# Altium PCB DustCollectorSwitch.PcbDoc
Units mil, origin at the board's own origin, x right, y up, seen from the top; angles counter-clockwise.
Board outline 2100 x 2705.2 mil, 2 copper layers (Top Layer, Bottom Layer); 57 components, 34 nets, 179 pads, 63 vias.
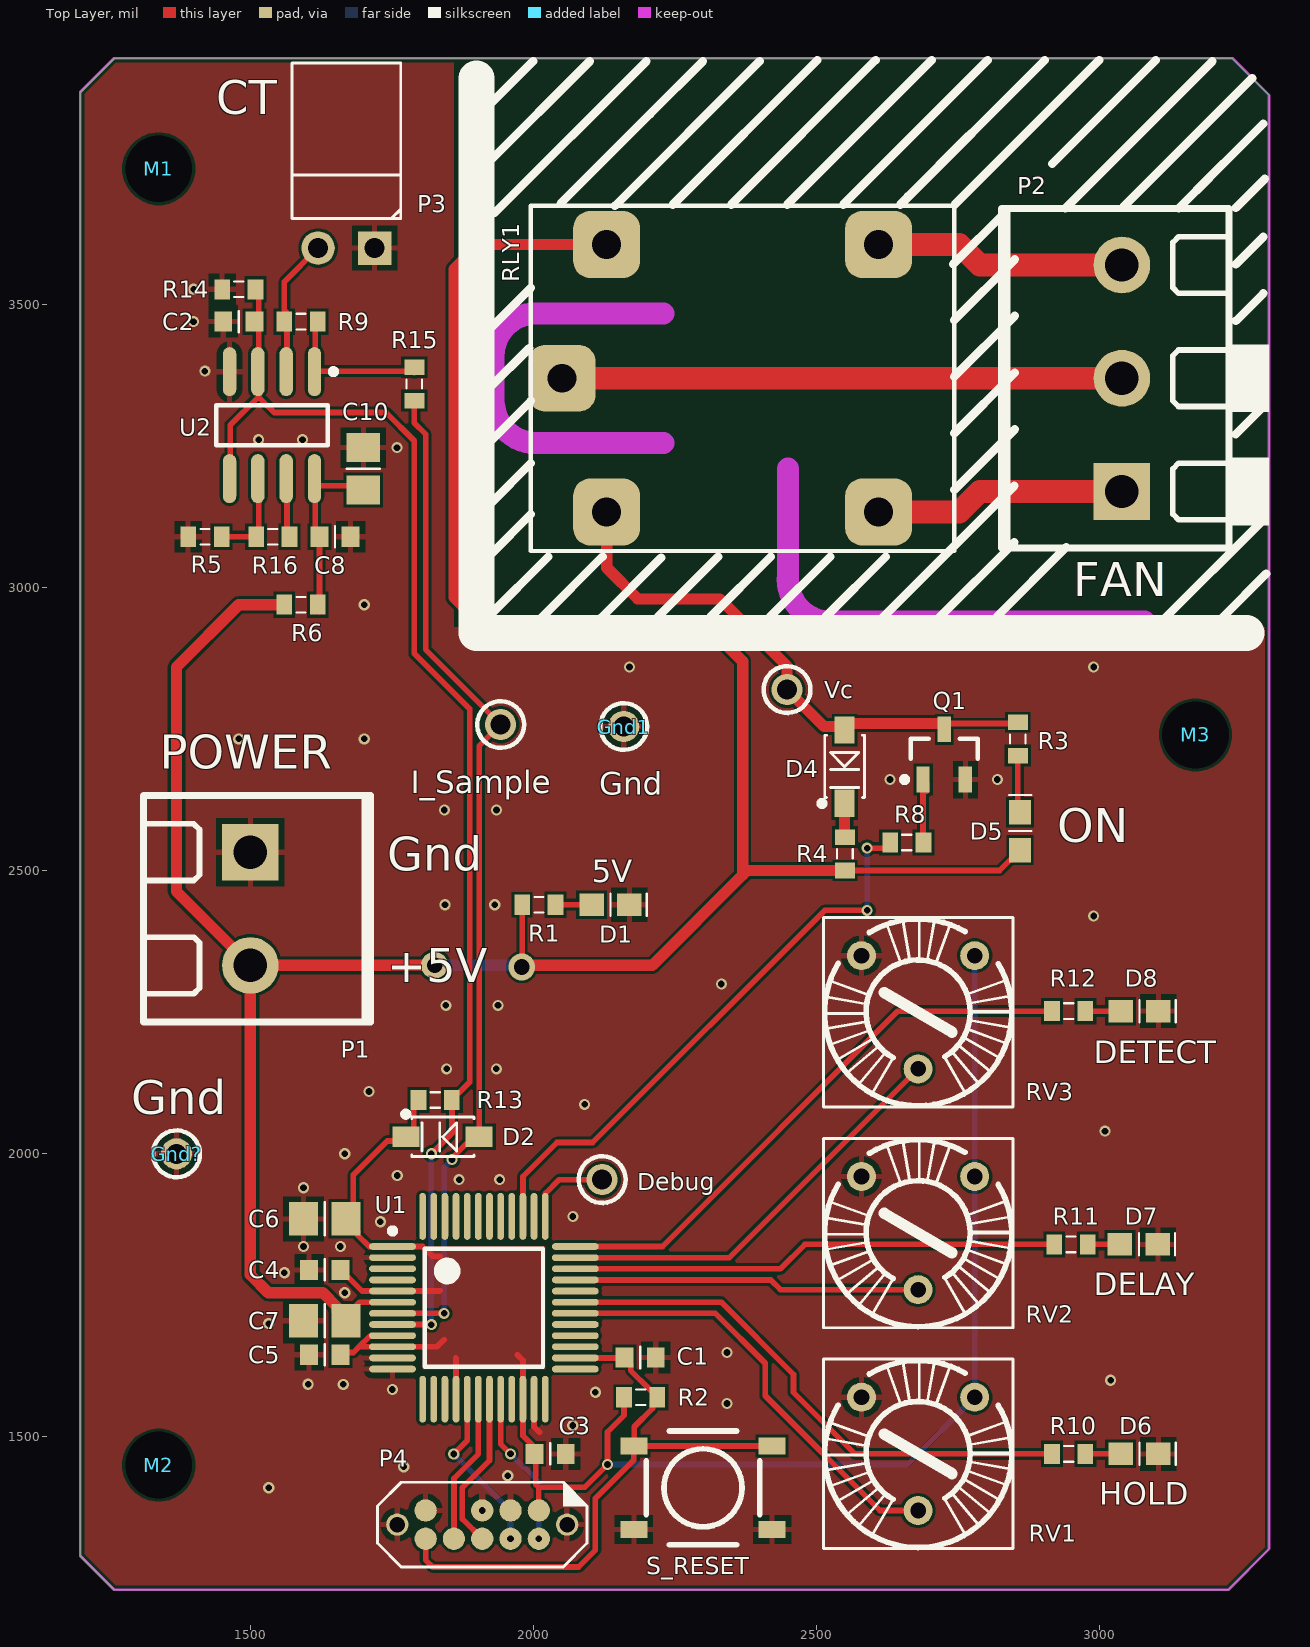
[diagram p0: Top Layer view]
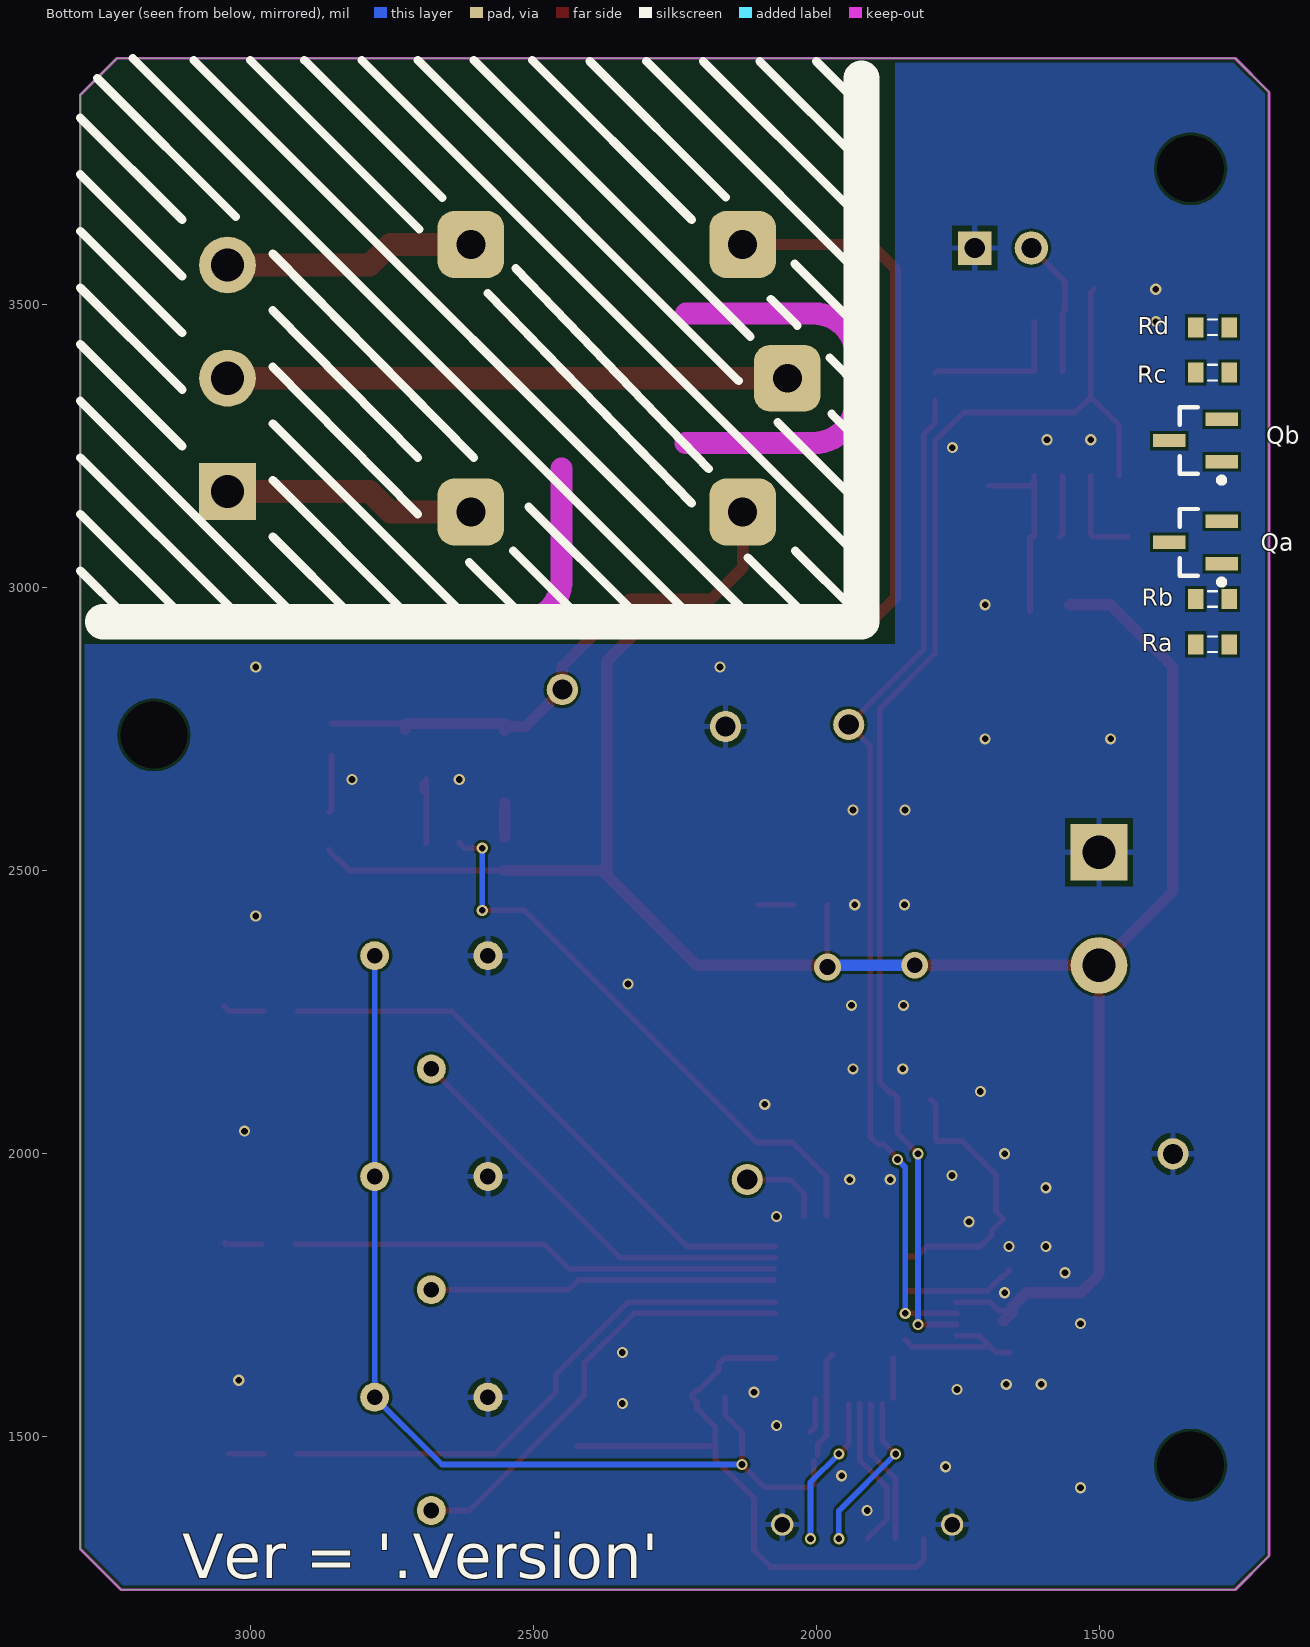
[diagram p1: Bottom Layer view, seen from below]
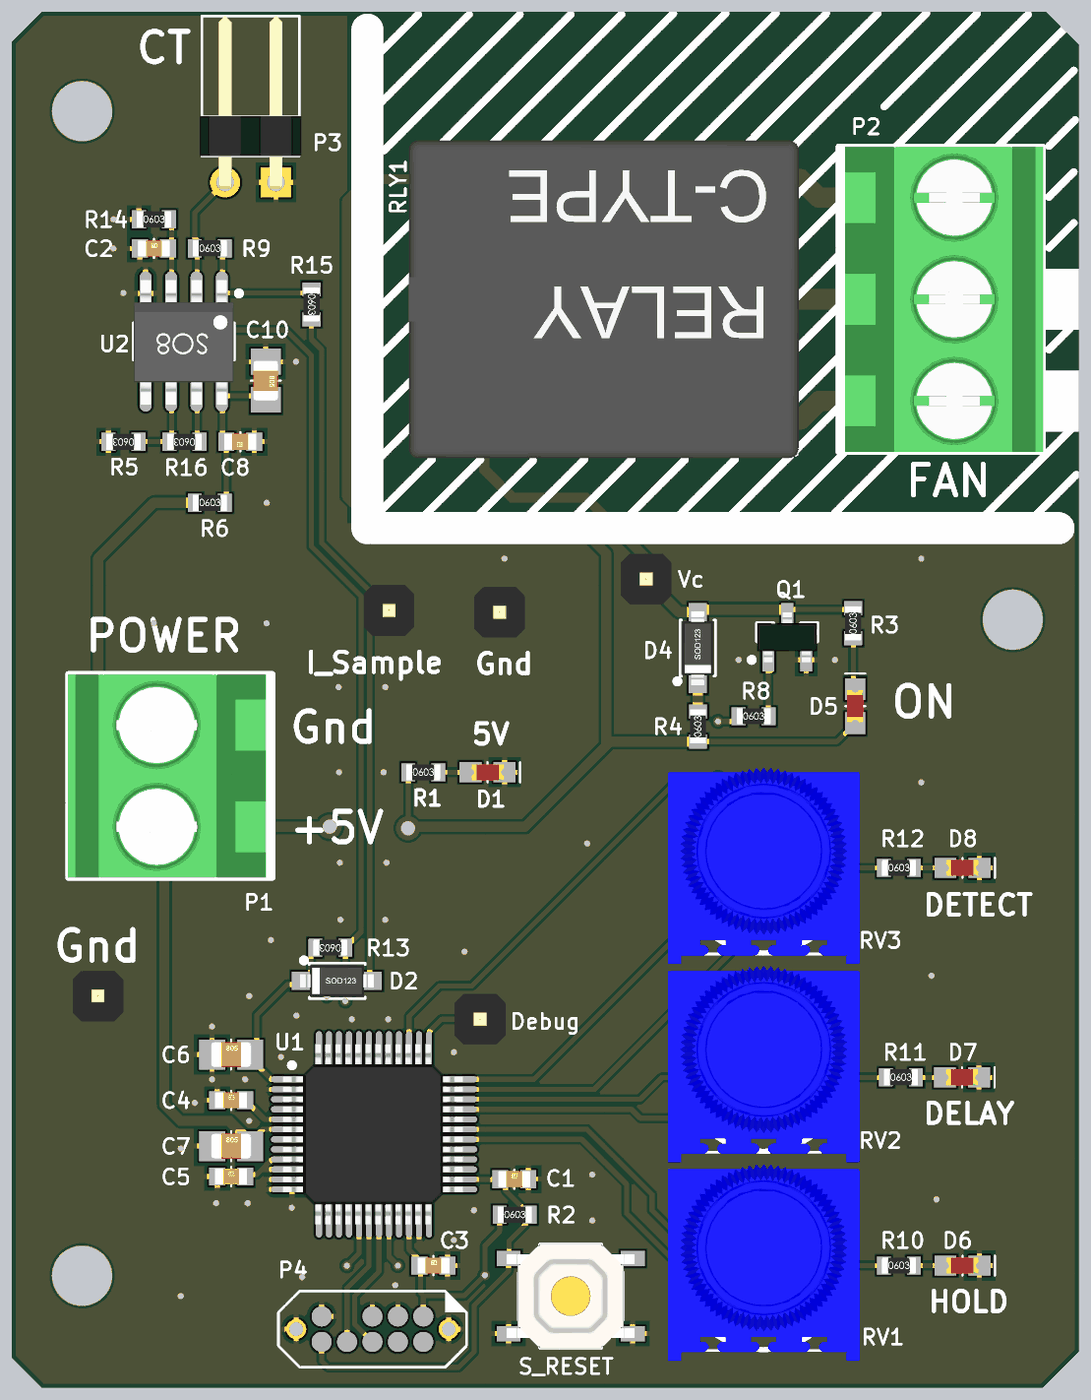
[diagram p2: 3D render of the assembled board from above, using the file's embedded part models]
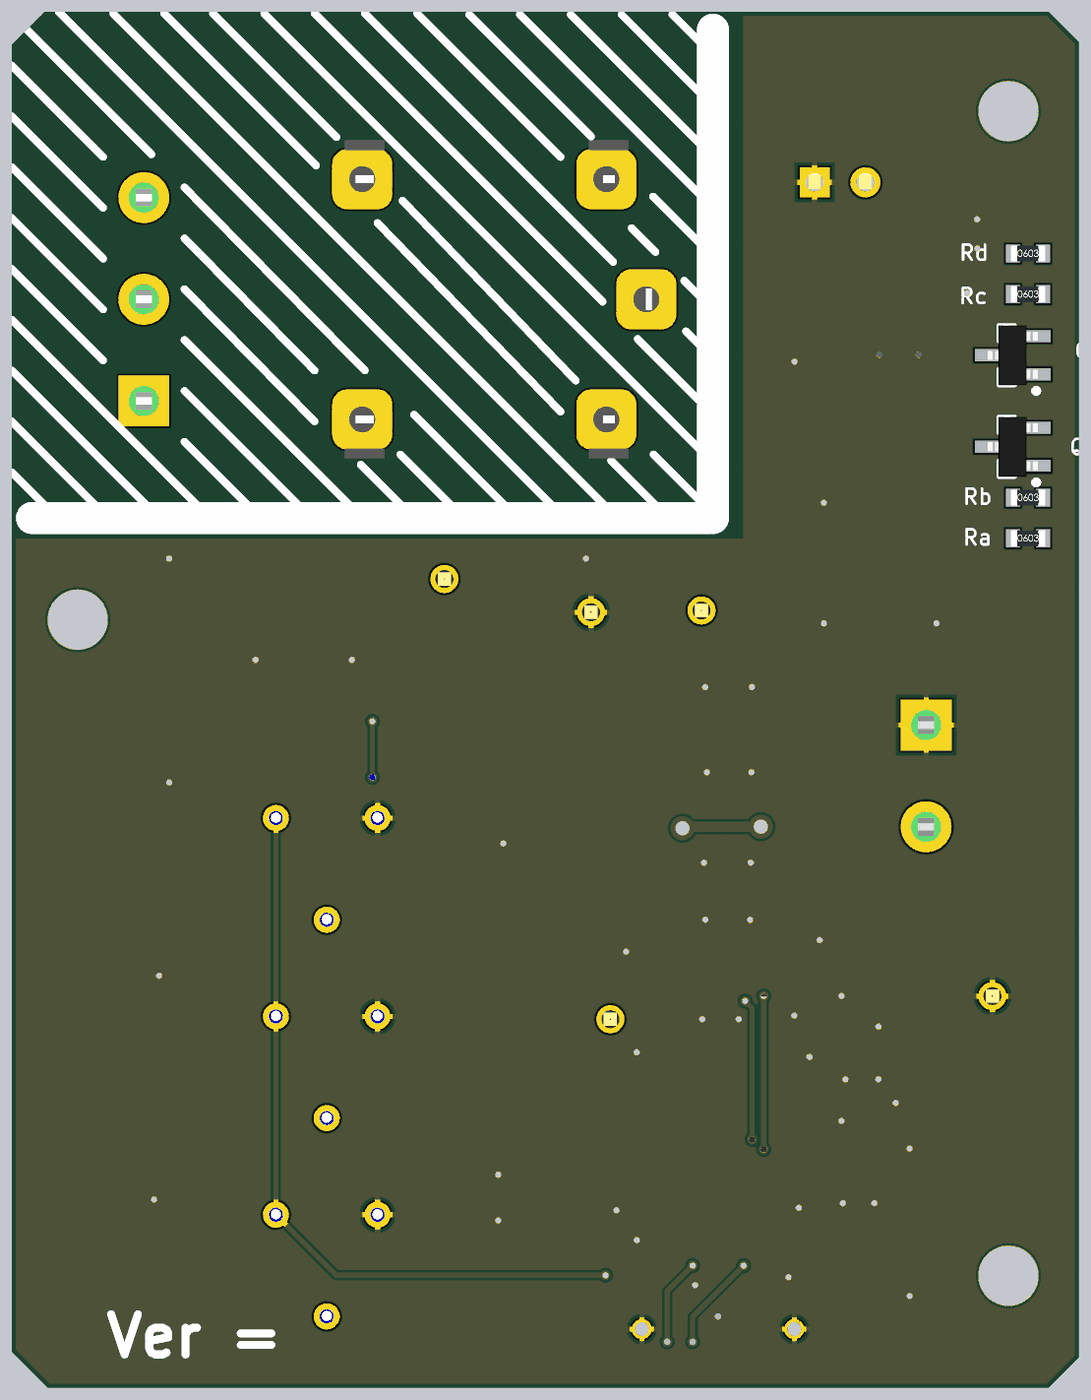
[diagram p3: 3D render of the assembled board from below, using the file's embedded part models]

## Layer stack, top to bottom
Top Solder: solder mask 0.4, Solder Resist, Dk 3.5
Top Layer: signal copper 1.4
Dielectric1: dielectric 12.6, FR-4, Dk 4.8
Bottom Layer: signal copper 1.4
Bottom Solder: solder mask 0.4, Solder Resist, Dk 3.5

## Board outline
1259.84,1230 1200,1289.84 1200,3875.35 1259.84,3935.2 3235.43,3935.2 3300,3870.63 3300,1301.65 3228.35,1230

## Design rules (kind name [scope] priority, off if disabled: settings)
Clearance [All] p1: gap=5 ignorepadtopadclearanceinfootprint=FALSE
HoleSize [All] p1: absolutevalues=TRUE maxlimit=137.8 minlimit=1 maxpercent=80.000 minpercent=20.000
MinimumSolderMaskSliver [All] p1 off: minsoldermaskwidth=10
PolygonConnect PolygonConnect_Via [IsPolygon vs IsVia] p1: connectstyle=Direct reliefconductorwidth=10 reliefentries=4 polygonreliefangle="90 Angle" airgapwidth=10
PolygonConnect [All] p2: connectstyle=Relief reliefconductorwidth=10 reliefentries=4 polygonreliefangle="90 Angle" airgapwidth=10
RoomDefinition DustCollectorSwitch [InComponentClass('DustCollectorSwitch')] p1: confinementstyle=ConfineIn formatcopy=TRUE lockcomponents=FALSE outline 1000,1099 3500,1099 3500,4165 1000,4165
RoutingVias [All] p1: holewidth=28 width=50 viastyle="Through Hole" minholewidth=28 minwidth=50 maxholewidth=28 maxwidth=50
SilkToSolderMaskClearance SilkscreenOverComponentPads [IsPad] p1 off: minsilkscreentomaskgap=10 clearancetoexposedcopper=TRUE
SolderMaskExpansion SolderMaskExpansion_Via [isVia] p1: expansion=4 istentingtop=TRUE
SolderMaskExpansion [All] p2: expansion=4 istentingtop=FALSE
Width [All] p1: maxlimit=40 minlimit=10 preferedwidth=10
27 further rules are at their usual default settings.

## Components (designator, comment, footprint, x,y, rotation, side; value= is the part's Value field where it differs from the comment)
C1 "100nF" CCNP1608-0603_N 2189,1640 r0 top
C2 "100nF" CCNP1608-0603_N 1480,3470 r0 top
C3 "100nF" CCNP1608-0603_N 2030,1470 r0 top
C4 "100nF" CCNP1608-0603_N 1631.81,1795 r0 top
C5 "100nF" CCNP1608-0603_N 1631.81,1645 r0 top
C6 "2.2uF" CCNP2012-0805 1631.81,1885 r0 top
C7 "1uF" CCNP2012-0805 1631.81,1705 r0 top
C8 "100nF" CCNP1608-0603_N 1650,3090 r180 top
C10 "1uF" CCNP2012-0805 1700,3210 r270 top
D1 "LED Red" LED1608-0603-RED 2136.54,2440 r180 top
D2 "1N4148W" SOD-123 1840,2030 r0 top
D4 "1N4148W" SOD-123 2550,2683.86 r90 top
D5 "LED Red" LED1608-0603-RED 2860,2570 r270 top
D6 "LED Red" LED1608-0603-RED 3071,1470 r180 top
D7 "LED Red" LED1608-0603-RED 3070,1840 r180 top
D8 "LED Red" LED1608-0603-RED 3071,2252 r180 top
Debug "Vdd" "PCBPIN - 0.9mm" 2121.83,1954.41 r0 top
Gnd1 "Gnd" "PCBPIN - 0.9mm" 2160,2754.7 r0 top
Gnd? "Gnd" "PCBPIN - 0.9mm" 1370,2000 r0 top
I_Sample "" "PCBPIN - 0.9mm" 1942.52,2758.19 r0 top
M1 "Mounting hole" "3mm hole" 1338.58,3740 r0 top
M2 "Mounting hole" "3mm hole" 1338.58,1450 r0 top
M3 "Mounting hole" "3mm hole" 3170,2740 r0 top
P1 "Terminal2_5.08mm" MOLEX-39544-3002 1500.47,2532.8 r180 top
P2 "Terminal3_5.08mm" MOLEX-39544-3003 3040,3170 r0 top
P3 "Header, 2-Pin, Right Angle" HDR1X2H 1720,3600 r180 top
P4 "SWD Connector 2x5-Pin" SWD-2x5-Jig-Pads 2010,1370 r180 top
Q1 "MMBT3904LT1G" SOT23_N 2726.13,2705.43 r270 top
Qa "DNP" SOT23_M 1330,3080 r180 bottom
Qb "DNP" SOT23_M 1330,3260 r180 bottom
R1 "1K" CR1608-0603_N 2010,2440 r0 top
R2 "1K" CR1608-0603_N 2190,1570 r0 top
R3 "1K" CR1608-0603_N 2856.13,2732.99 r90 top
R4 "220R" CR1608-0603_N 2550.63,2530 r90 top
R5 "10k" CR1608-0603_N 1420,3090 r180 top
R6 "470R" CR1608-0603_N 1590,2970 r0 top
R8 "220R" CR1608-0603_N 2660,2550 r0 top
R9 "150R" CR1608-0603_N 1590,3470 r0 top
R10 "1K" CR1608-0603_N 2946,1470 r0 top
R11 "1K" CR1608-0603_N 2950,1840 r0 top
R12 "1K" CR1608-0603_N 2946,2252 r0 top
R13 "10k" CR1608-0603_N 1826.97,2095.16 r180 top
R14 "10k" CR1608-0603_N 1480,3527.13 r0 top
R15 "470R" CR1608-0603_N 1790,3360 r270 top
R16 "10k" CR1608-0603_N 1540,3090 r180 top
Ra "DNP" CR1608-0603_N 1300,2900 r180 bottom
Rb "DNP" CR1608-0603_N 1300,2980 r180 bottom
Rc "DNP" CR1608-0603_N 1300,3380 r180 bottom
Rd "DNP" CR1608-0603_N 1300,3460 r180 bottom
RLY1 "ORWH-SH-105D1F,000" "RELAY - ORWH-SH" 2370,3370 r0 top
RV1 "1K" RV_PCB5 2680,1470 r270 top
RV2 "1K" RV_PCB5 2680,1860 r270 top
RV3 "1K" RV_PCB5 2680,2250 r270 top
S_RESET "SMD-SW-4_5.1x5.1x3.5_M" SMD-SW-4_5.1x5.1x3.5_M 2300,1410 r0 top
U1 "MK20DX128VLF5" TSQFP50P900X900-48M 1912.99,1728 r270 top
U2 "LM2904DR2G" "SOIC127P600-8N - ROT90" 1538.7,3287.13 r180 top
Vc "" "PCBPIN - 0.9mm" 2448.5,2820 r0 top

## Footprints (in the part's own frame and the unit in brackets; to place one, negate y for a bottom-side part, rotate by r counter-clockwise, add the part's x,y. Pads: shape width x height; smd on the part's side, far side on the other; paste and mask are expansions set on the pad)
"3mm hole" [mil]
  round 60 hole 118.11: 0(0,0)
CCNP1608-0603_N [mm]
  rect 0.8x0.9 smd: 1(-0.7,0) 2(0.7,0)
  silkscreen extent 0,-0.48 0,0.48, body extent -0.8,-0.4 0.8,0.4, height 0.3
CCNP2012-0805 [mm]
  rect 1.3x1.5 smd: 1(-0.95,0) 2(0.95,0)
  silkscreen extent 0,-0.75 0,0.75, body extent -1,-0.62 1,0.63, height 0.78
CR1608-0603_N [mm]
  rect 0.7x0.9 smd: 1(-0.75,0) 2(0.75,0)
  silkscreen extent -0.2,-0.35 0.2,0.35, body extent -0.85,-0.4 0.85,0.4, height 0.56
HDR1X2H [mm] "Header; 2 Position; Right Angle"
  rect 1.5x1.5 hole 0.9: 1(0,0)
  round 1.5 hole 0.9: 2(2.54,0)
  silkscreen extent -1.17,-8.31 3.71,-1.32, body extent -1.27,-8.3 3.81,0.33, height 2.54
LED1608-0603-RED [mm] "SMT-LED 0603"
  rect 1.1x1 smd: A(0.85,0) K(-0.85,0)
  silkscreen extent -1.62,-0.5 0,0.5, body extent -0.8,-0.4 0.8,0.4, height 0.7
MOLEX-39544-3002 [mm] "Wire-To-Board Terminal Block"
  rect 2.54x2.54 hole 1.5: 1(0,0)
  round 2.54 hole 1.5: 2(0,5.08)
  silkscreen extent -5.4,-2.54 4.83,7.62, body extent -5.08,-2.54 4.83,7.62, height 14.6
MOLEX-39544-3003 [mm] "Wire-To-Board Terminal Block"
  rect 2.54x2.54 hole 1.5: 1(0,0)
  round 2.54 hole 1.5: 2(0,5.08) 3(0,10.16)
  silkscreen extent -5.4,-2.54 4.83,12.7, body extent -5.08,-2.54 4.83,12.7, height 14.6
"PCBPIN - 0.9mm" [mm]
  round 1.4 hole 0.9: 1(0,0)
  silkscreen extent -1.05,-1.05 1.05,1.05, body extent -1.27,-1.27 1.27,1.27, height 6
"RELAY - ORWH-SH" [mm] "Relay, PCB Mount, ORWH Series"
  rrect50% 3x3 hole 1.3: C1(-6.1,6) C2(-6.1,-6) COM(-8.1,0) NC(6.1,6) NO(6.1,-6)
  silkscreen extent -9.5,-7.75 9.5,7.75, body extent -9.88,-7.95 9.62,7.95, height 15
RV_PCB5 [mm] "Vishay 63M-T607 (F347-292 or similar)"
  round 1.3 hole 0.7: CCW(-2.54,-2.54) CW(-2.54,2.54) W(2.54,0)
  silkscreen extent -4.25,-4.25 4.25,4.25, body extent -5.08,-4.79 4.75,4.79, height 4.42
SMD-SW-4_5.1x5.1x3.5_M [mm] "Miniature SMD PCB Push Button - C318886"
  rect 1.2x0.762 smd: 1(3.1,-1.875) 1b(-3.1,-1.875) 2(3.1,1.875) 2b(-3.1,1.875)
  silkscreen extent -2.55,-2.55 2.55,2.55, body extent -3.2,-2.65 3.2,2.65, height 3.5
SOD-123 [mm] "SOD-123; 2 Leads; Body 2.7 x 1.6 mm, (LxW)"
  rect 1.22x0.91 smd: A(1.64,0) K(-1.64,0)
  silkscreen extent -1.78,-0.89 1.41,1.14, body extent -1.85,-0.77 1.85,0.78, height 1.35
"SOIC127P600-8N - ROT90" [mm] "SOIC, 8-Leads, Body 4.9x3.9mm, Pitch 1.27mm, IPC Medium Density"
  oval 0.6x2.2 smd: 1(-1.905,-2.4) 2(-0.635,-2.4) 3(0.635,-2.4) 4(1.905,-2.4) 5(1.905,2.4) 6(0.635,2.4) 7(-0.635,2.4) 8(-1.905,2.4)
  silkscreen extent -2.88,-2.52 2.5,0.9, body extent -2.5,-3.06 2.5,3.14, height 1.75
SOT23_M [mm] "SOT23, 3-Leads, Body 2.9x1.3mm, Pitch 0.95mm, Lead Span 2.3mm - IPC Low Density"
  rect 1.45x0.6 smd: 1(1.175,-0.95) 2(1.175,0.95) 3(-1.175,0)
  silkscreen extent -0.7,-1.9 1.29,1.5, body extent -1.25,-1.5 1.25,1.5, height 1.05
SOT23_N [mm] "SOT23, 3-Leads, Body 2.9x1.3mm, Pitch 0.95mm, Lead Span 2.3mm - IPC Medium Density"
  rect 1.15x0.6 smd: 1(1.125,-0.95) 2(1.125,0.95) 3(-1.125,0)
  silkscreen extent -0.7,-1.9 1.25,1.5, body extent -1.25,-1.5 1.25,1.5, height 1.05
SWD-2x5-Jig-Pads [mm] "Connector; SWD; 2x5 Position"
  round 1 hole 0.69: 0(-1.27,0.635) 0(6.35,0.635)
  round 1 smd: 1(0,0) 2(0,1.27) 3(1.27,0) 4(1.27,1.27) 5(2.54,0) 6(2.54,1.27) 8(3.81,1.27) 9(5.08,0) 10(5.08,1.27)
  silkscreen extent -2.16,-1.26 7.24,2.53
TSQFP50P900X900-48M [mm] "Thin QFP, 48-Leads, Body 7x7mm, Pitch 0.5mm, IPC Low Density"
  oval 0.3x2.1 smd: 1(-2.75,-4.1) 2(-2.25,-4.1) 3(-1.75,-4.1) 4(-1.25,-4.1) 5(-0.75,-4.1) 6(-0.25,-4.1) 7(0.25,-4.1) 8(0.75,-4.1) 9(1.25,-4.1) 10(1.75,-4.1) 11(2.25,-4.1) 12(2.75,-4.1) 25(2.75,4.1) 26(2.25,4.1) 27(1.75,4.1) 28(1.25,4.1) 29(0.75,4.1) 30(0.25,4.1) 31(-0.25,4.1) 32(-0.75,4.1) 33(-1.25,4.1) 34(-1.75,4.1) 35(-2.25,4.1) 36(-2.75,4.1)
  oval 2.1x0.3 smd: 13(4.1,-2.75) 14(4.1,-2.25) 15(4.1,-1.75) 16(4.1,-1.25) 17(4.1,-0.75) 18(4.1,-0.25) 19(4.1,0.25) 20(4.1,0.75) 21(4.1,1.25) 22(4.1,1.75) 23(4.1,2.25) 24(4.1,2.75) 37(-4.1,2.75) 38(-4.1,2.25) 39(-4.1,1.75) 40(-4.1,1.25) 41(-4.1,0.75) 42(-4.1,0.25) 43(-4.1,-0.25) 44(-4.1,-0.75) 45(-4.1,-1.25) 46(-4.1,-1.75) 47(-4.1,-2.25) 48(-4.1,-2.75)
  silkscreen extent -3.57,-4.22 2.65,2.65, body extent -4.5,-4.55 4.5,4.45, height 1.6

## Part data
C1 C2 C3 C4 C5 C8: library part Cap_CCNP_0603_100nF, "Capacitor non-polar SMT 0603", LCSC=C14663, Manufacturer="Generic Components", Class=Passive, Published=08/06/2000, Publisher="Altium Hobart Technology Centre", SubClass=Capacitor
C6: library part Cap_CCNP_0805_2u2F, "Capacitor non-polar SMT 0805", LCSC=C49217, Manufacturer="Generic Components", Class=Passive, Published=08/06/2000, Publisher="Altium Hobart Technology Centre", SubClass=Capacitor
C7 C10: library part Cap_CCNP_0805_1uF, "Capacitor non-polar SMT 0805", LCSC=C28323, Manufacturer="Generic Components", Class=Passive, Published=08/06/2000, Publisher="Altium Hobart Technology Centre", SubClass=Capacitor
D1 D5 D6 D7 D8: library part LED-0603-Red, "LED 0603 Red", LCSC=C2286, Manufacturer="Generic Components", Class I=Optoelectronic, Class II=LED, Farnell PN=1581239, Published=8-Jun-2000, Publisher="Altium Limited", Revision="July-2002: Re-released for DXP Platform."
D2 D4: "Diode - Switching 75V 150mA 1.25V @ 150mA 4ns, SOD-123", LCSC=C81598, Class=Discrete, SubClass="Diode - Switching"
Debug Gnd1 Gnd? I_Sample Vc: library part TP, "Test Point"
M1 M2 M3: library part Mounting_Hole
P1: "MULTICOMP MC24366 TERMINAL BLOCK EUROSTYLE, 2 POSITION, 26-12AWG, 5.08mm", Farnell PN=2396251
P2: "MULTICOMP MC24367 TERMINAL BLOCK EUROSTYLE, 3 POSITION, 26-12AWG, 5.08mm"
P3: library part "Header 1x2H", LatestRevisionDate=17-Jul-2002, LatestRevisionNote="Re-released for DXP Platform.", Publisher="Altium Limited"
P4: library part SWD2X5_JIG, Farnell PN=1865285, LatestRevisionDate=17-Jul-2002, LatestRevisionNote="Re-released for DXP Platform.", Publisher="Altium Limited"
Q1: "General Purpose Transistor, NPN Silicon, 3-Pin SOT-23, Pb-Free, Tape and Reel", LCSC=C20526, Manufacturer="On Semiconductor", ComponentLink1Description="Manufacturer URL", ComponentLink1URL=http://www.onsemi.com/, ComponentLink2Description=Datasheet, ComponentLink2URL=http://www.onsemi.cn/pub_link/Collateral/MMBT3904LT1-D.PDF, ComponentLink3Description="Package Specification", ComponentLink3URL=http://www.onsemi.cn/pub_link/Collateral/318-08.PDF, DatasheetVersion="Rev. 12", fT Min (MHz)=300, IC Continuous (A)=0.2, Mounting Technology="Surface Mount", PackageDescription="3-Pin Small Outline Transistor, Body 2.92 x 1.3 mm, Pitch 0.95 mm", PackageReference=SOT-23-3-318-08, PackageVersion="Rev. AP, 11/2009", Packing="Tape and Reel", PartNumber=MMBT3904LT1G, Polarity=NPN, RoHS=TRUE
Qa Qb: library part MMBT3904LT1G, "SOT23", ComponentLink1Description="Manufacturer URL", ComponentLink1URL=http://www.onsemi.com/, ComponentLink2Description=Datasheet, ComponentLink2URL=http://www.onsemi.cn/pub_link/Collateral/MMBT3904LT1-D.PDF, ComponentLink3Description="Package Specification", ComponentLink3URL=http://www.onsemi.cn/pub_link/Collateral/318-08.PDF
R1 R2 R3 R10 R11 R12: library part Res_CR0603, "Resistor SMT 0603", LCSC=C21190, Manufacturer="Generic Components", Class=Passive, Published=08/06/2000, Publisher="Altium Hobart Technology Centre", SubClass=Resistor
R4 R8: library part Res_CR0603_220R, "Resistor SMT 0603", LCSC=C22962, Manufacturer="Generic Components", Class=Passive, Published=08/06/2000, Publisher="Altium Hobart Technology Centre", SubClass=Resistor
R5 R13 R14 R16: library part Res_CR0603_10k, "Resistor SMT 0603", LCSC=C25804, Manufacturer="Generic Components", Class=Passive, Published=08/06/2000, Publisher="Altium Hobart Technology Centre", SubClass=Resistor
R6 R15: library part Res_CR0603_470R, "Resistor SMT 0603", LCSC=C23179, Manufacturer="Generic Components", Class=Passive, Published=08/06/2000, Publisher="Altium Hobart Technology Centre", SubClass=Resistor
R9: library part Res_CR0603_150R, "Resistor SMT 0603", LCSC=C22808, Manufacturer="Generic Components", Class=Passive, Published=08/06/2000, Publisher="Altium Hobart Technology Centre", SubClass=Resistor
Ra Rb Rc Rd: library part Res_CR0603, "Resistor SMT 0603", Manufacturer="Generic Components", Class=Passive, Published=08/06/2000, Publisher="Altium Hobart Technology Centre", SubClass=Resistor
RLY1: library part "Relay - ORWH-SH-105D1F", "Relay, ORWH Series, Power, Non Latching, SPDT, 5 VDC, 10 A", Farnell PN=1181034
RV1 RV2 RV3: library part POT_BOURNS_3362P, "Trim Pot - single turn horizontal", Farnell PN="9354298 or similar"
S_RESET: library part SW_PB-TS, "Tactile Switch SPST 5.10mm X 5.10mm / (1.5mm=C318884) / (2.0mm=C318888) / (3.5mm=C318886)", LCSC=C318886, Revision=1.0
U1: "Micro Kinetis K20: 50MHz Cortex-M4 Performance MCU, 160KB Flash, 16KB SRAM, Full-Speed USB, 48-LQFP", Digikey=MK20DX128VLF50-ND, Farnell PN=2133571, Mouser=841-MK20DX128VLF5
U2: "Single Supply Dual Operational Amplifier, 3 to 32 V, -40 to 105 degC, 8-Pin SOIC, Pb-Free, Tape and Reel", LCSC=C18229, Manufacturer="On Semiconductor", ComponentLink1Description="Manufacturer URL", ComponentLink1URL=http://www.onsemi.com/, ComponentLink2Description=Datasheet, ComponentLink2URL=http://www.onsemi.cn/pub_link/Collateral/LM358-D.PDF, ComponentLink3Description="Package Specification", ComponentLink3URL=http://www.onsemi.com/pub_link/Collateral/751-07.PDF, DatasheetVersion="Rev. 27", Mounting Technology="Surface Mount", PackageDescription="8-Pin Small Outline Integrated Circuit, Body 4.9 x 3.9 mm, Pitch 1.27 mm", PackageReference=SOIC-8-751-07, PackageVersion="Rev. AK, 02/2011", Packing="Tape and Reel", PartNumber=LM2904DR2G, RoHS=TRUE, VCC Max (V)=32, VCC Min (V)=3

## Via types
v1: diameter 19.68, hole 11.81, Top Layer to Bottom Layer, tented both sides, 61 vias
v2: diameter 47.24, hole 27.56, Top Layer to Bottom Layer, tented both sides, 2 vias

## Nets (pads, with @x,y where several pads share a name; then routed paths per layer and width w, separated by ;. In a path a pad name is that pad's centre, name@x,y a point inside that pad or via, vN(x,y) a via of type N, cw(c..) or ccw(c..) an arc to the next point about the centre after c; other vN are vias at no path point)
3V3: C3.1 C4.2 C5.2 C6.2 D2.K P4.1 R2.1 R13.2 RV1.CW RV2.CW RV3.CW U1.1 U1.5 U1.9 U1.10 U1.16 U1.22 | length 3094.6
  Top Layer w10: C5.2@1657.4,1648.92 1682.45,1648.92 1692.63,1659.1 ; C4.2 1659.37,1793.03 1670.12,1782.28 1673.15,1782.28 1697.91,1757.53 1835.53,1757.53 1836,1758 ; U1.9 1751.23,1678.44 1711.97,1678.44 1692.63,1659.1 ; R13.2 1788.88,2086.6 1788.88,2023.45 1788.17,2022.73 1742.28,2022.73 1682.45,1962.91 1682.45,1898.24 C6.2 1689.8,1864.41 1689.8,1856.84 1710.37,1836.27 1804.73,1836.27 1822.52,1818.47 1835.53,1818.47 ; 1842.75,1671.57 1830.28,1659.1 1692.63,1659.1 ; 1863.15,1639.42 1863.78,1638.79 U1.16@1863.78,1568.55 ; 1972,1645 1981.89,1635.11 1981.89,1512 ; U1.22 1981.89,1502 1997.04,1486.86 C3.1@1997.04,1467.37 ; C3.1@2004.62,1457.83 2004.62,1416.14 2010,1410.76 ; P4.1 2010,1410.76 ; R2.1 2160.47,1537.88 2131.25,1508.66 v1(2131.25,1451.06) 2090.95,1410.76 2010,1410.76
  Bottom Layer w10: v1(2131.25,1451.06) 2661.06,1451.06 RV1.CW RV2.CW RV3.CW
5V: C7.2 D5.A P1.2 R1.1 R4.1 R6.1 RLY1.C1 U1.6 | length 5010.2
  Top Layer w10: C7.2@1668.31,1722.72 1678.15,1722.72 1693.28,1737.84 U1.6@1753.54,1737.84 ; v2(1980,2330) 1980.47,2330.47 R1.1 ; R4.1 2823.94,2500.47 2843.35,2519.88 2845.31,2519.88 2860,2534.57 D5.A
  Top Layer w20: R6.1@1552.21,2970 1480,2970 1370,2860 1370,2463.27 P1.2 ; C7.2 1653.62,1720.59 1653.62,1729.51 1628.61,1754.53 1532.06,1754.53 1500.47,1786.11 P1.2 ; v2(1825.82,2333.01) 1825.62,2332.8 P1.2 ; v2@1983.42,2332.8 2210.44,2332.8 2370,2492.36 ; RLY1.C1 1903.5,3606.22 1860,3562.72 1860,2982.69 1912.69,2930 2310,2930 2370,2870 2370,2492.36 ; R4.1 2378.11,2500.47 2370,2492.36
  Bottom Layer w20: v2(1825.82,2333.01) 1976.99,2333.01 v2(1980,2330)
5Vf: C8.2 C10.2 R6.2 U2.8 | length 333
  Top Layer w10: C8.2@1615,3090 U2.8@1615,3186.29 ; R6.2@1622.44,2958.06 C8.2 ; C10.2@1694.75,3180 1621.29,3180 U2.8@1615,3186.29 ; U2.8@1615,3186.29 1615,3197.48 U2.8@1615,3186.29
AC_Sample: P3.2 R9.1 U2.2 | length 244
  Top Layer w10: U2.2@1565,3382.52 1565,3485.47 1560.47,3490 1560.47,3540.47 P3.2
COM: P2.2 RLY1.COM | length 988.9
  Top Layer w40: RLY1.COM P2.2
CurrentSample: D2.A I_Sample.1 R15.2 U1.7 | length 1814.1
  Top Layer w10: U1.7 v1(1842.75,1718.16) ; R15.2 1790,3291.21 1810,3271.21 1810,2890.71 I_Sample.1 1904.57,2720.23 D2.A 1891.65,2017.09 1881.18,2017.09 1856.5,1992.4 v1(1856.5,1990)
  Bottom Layer w10: v1(1842.75,1718.16) 1842.75,1976.25 v1(1856.5,1990)
DelayControl: RV2.W U1.33 | length 612.7
  Top Layer w10: U1.33 2419.68,1777.21 2436.9,1760 RV2.W
DelayLed: R11.1 U1.34 | length 863.9
  Top Layer w10: U1.34 2436.9,1796.9 2480,1840 R11.1
DetectLed: R12.1 U1.36 | length 1016.2
  Top Layer w10: U1.36@2072.44,1836.27 2228.31,1836.27 2644.05,2252 R12.1
GND: C1.2 C2.1 C3.2 C4.1 C5.1 C6.1 C7.1 C8.1 C10.1 D1.K D6.K D7.K D8.K Gnd1.1 Gnd?.1 P1.1 P3.1 P4.0 P4.3 P4.5 P4.9 Q1.2 R5.2 R14.1 RV1.CCW RV2.CCW RV3.CCW S_RESET.1 S_RESET.1b U1.2 U1.11 U1.12 U1.23 U2.4 | length 62.6
  Top Layer w10: U1.23 2001.58,1517.94 2011.42,1508.1
  other v1: 1910,1370 1533,1410 1955.09,1431.32 1771.46,1447.28 2070,1520 2342.47,1558.8 2109.83,1578.81 1751.23,1583.74 1602.44,1592.84 1664.44,1592.72 3020,1600 2342.47,1648.91 1533,1700 1667.2,1754.53 1560.47,1790 1594.41,1836.27 1659.37,1836.27 1730,1880 2070.12,1889.42 1594.41,1940 1869.21,1954.41 1940.83,1954.41 1760,1961.62 1667.2,2000 3010,2040 2090.95,2087.28 1710,2110 1847.08,2150 1935,2150 1845.7,2262.2 1937.71,2262.2 2332.47,2300 2990,2420 1844.1,2440 1932.01,2440 1843.16,2607.34 1935.17,2607.34 2630.47,2661.14 2820,2661.14 1480,2732.99 1701.66,2732.99 2170,2860 2990,2860 1701.66,2970 1759.53,3247.4 1515,3261.39 1592.37,3261.39 1420,3382.52 1400,3470 1400.18,3527.13
HoldControl: RV1.W U1.30 | length 785.3
  Top Layer w10: U1.30@2072.44,1718.16 2321.84,1718.16 2410,1630 2410,1572.72 2612.72,1370 RV1.W
HoldLed: R10.1 U1.31 | length 973.6
  Top Layer w10: U1.31@2072.44,1737.84 2332.47,1737.84 2460,1610.31 2460,1578.55 2568.55,1470 R10.1
LevelControl: RV3.W U1.35 | length 745.7
  Top Layer w10: U1.35@2072.44,1816.58 2346.58,1816.58 RV3.W
N/C: P2.3 RLY1.NC | length 444.8
  Top Layer w40: RLY1.NC 2752.6,3606.22 2788.82,3570 P2.3
N/O: P2.1 RLY1.NO | length 444.8
  Top Layer w40: RLY1.NO 2752.6,3133.78 2788.82,3170 P2.1
NetD1_A: D1.A R1.2 | length 63.5
  Top Layer w10: R1.2 D1.A
NetD4_K: D4.K R4.2 | length 60
  Top Layer w20: D4.K 2550,2560.16 R4.2
NetD5_K: D5.K R3.1 | length 101.6
  Top Layer w10: R3.1 2856.13,2607.34 D5.K
NetD6_A: D6.A R10.2 | length 62
  Top Layer w10: R10.2 D6.A
NetD7_A: D7.A R11.2 | length 60.4
  Top Layer w10: R11.2 D7.A ; D7.A@3042.07,1840 D7.A@3044.47,1842.4
NetD8_A: D8.A R12.2 | length 74.6
  Top Layer w10: R12.2 D8.A D8.A@3046.47,2260.94
NetDebug_1: Debug.1 U1.37 | length 151
  Top Layer w10: U1.37 2021.61,1889.76 2021.61,1929.9 2046.11,1954.41 Debug.1
NetQ1_1: Q1.1 R8.2 | length 134.8
  Top Layer w10: R8.2 2688.72,2550.8 Q1.1 2695.54,2654.33 Q1.1@2695.54,2640.59
NetR5_1: R5.1 R16.2 U2.6 | length 162.8
  Top Layer w10: R5.1 R16.2@1502.92,3090 ; R16.2 1515,3094.53 1515,3148.31 U2.6@1515,3197.48
NetR9_2: R9.2 R15.1 U2.1 | length 263.7
  Top Layer w10: R9.2@1615,3470 1615,3382.52 1787.01,3382.52 R15.1@1790,3379.53
NetR16_1: R16.1 U2.7 | length 109.4
  Top Layer w10: U2.7@1565,3197.48 1565,3094.53 R16.1
RELAY: D4.A Q1.3 R3.2 RLY1.C2 Vc.1 | length 970.4
  Top Layer w10: Q1.3@2732.94,2760 R3.2@2856.13,2760
  Top Layer w20: RLY1.C2 2129.84,3035.16 2185,2980 2330,2980 2448.5,2861.5 Vc.1 2513.8,2754.7 2543.73,2754.7 D4.A ; D4.A@2550,2760 2724.32,2760 2726.13,2758.19 Q1.3
RelayDrive: R8.1 U1.39 | length 1028.7
  Top Layer w10: U1.39 1981.89,1960 2041.89,2020 2104.99,2020 2514.99,2430 v1(2590,2430) ; v1(2590,2540) 2621.69,2540 2630.47,2548.78 R8.1
  Bottom Layer w10: v1(2590,2430) v1(2590,2540)
RESETb: C1.1 P4.10 R2.2 S_RESET.2 S_RESET.2b U1.26 | length 1090.2
  Top Layer w10: P4.10 1810,1282.52 1822.52,1270 2080,1270 2109.83,1299.83 2109.83,1391.43 2177.95,1459.55 S_RESET.2b 2178.56,1484.43 2178.56,1517.96 2210.75,1550.15 2210.75,1561.22 R2.2 2219.53,1573.94 2210.75,1582.72 2206.81,1582.72 2172.19,1617.34 2172.19,1629.25 C1.1 2160.86,1639.42 U1.26@2072.44,1639.42 ; S_RESET.2b@2187.95,1483.82 S_RESET.2
SWD_CLK: P4.4 U1.17 | length 290
  Top Layer w10: v1(1859.66,1469.68) 1883.47,1493.49 U1.17@1883.47,1558.55
  Bottom Layer w10: v1(1859.66,1469.68) 1960,1369.35 v1(1960,1320)
SWD_DIO: P4.2 U1.20 | length 266.5
  Top Layer w10: U1.20@1942.52,1558.55 1942.52,1487.48 v1(1960,1470)
  Bottom Layer w10: v1(1960,1470) 2010,1420 v1(2010,1320)
SWD_Rx: P4.8 U1.18 | length 256.4
  Top Layer w10: P4.8 1860,1426.53 1903.15,1469.68 U1.18@1903.15,1558.55
SWD_Tx: P4.6 U1.19 | length 272.9
  Top Layer w10: P4.6 1875,1355 1875,1410.43 1922.84,1458.27 U1.19@1922.84,1558.55
V2.5: C2.2 R13.1 R14.2 U1.8 U2.3 U2.5 | length 2360.4
  Top Layer w10: U2.5@1465,3197.48 1465,3287.13 1515,3337.13 ; R14.2 1515,3521.65 1515,3382.52 1515,3337.13 ; U1.8 1751.65,1698.39 1820.08,1698.39 v1(1820.16,1698.31) ; v1(1820.2,2000) 1856.5,2036.3 1856.5,2099.09 1865.28,2107.87 1869.21,2107.87 1887.7,2126.36 1887.7,2301.28 1887.7,2390 1887.7,2786.11 1790,2883.81 1790,3259.53 1740,3309.53 1542.6,3309.53 1515,3337.13
  Bottom Layer w10: v1(1820.16,1698.31) 1820.2,1698.36 v1(1820.2,2000)
pads on no net: M1.0 M2.0 M3.0 Qa.1 Qa.2 Qa.3 Qb.1 Qb.2 Qb.3 Ra.1 Ra.2 Rb.1 Rb.2 Rc.1 Rc.2 Rd.1 Rd.2 U1.3 U1.4 U1.13 U1.14 U1.15 U1.21 U1.24 U1.25 U1.27 U1.28 U1.29 U1.32 U1.38 U1.40 U1.41 U1.42 U1.43 U1.44 U1.45 U1.46 U1.47 U1.48

## Polygon pours and split planes (outlines as drawn)
GND on Top Layer "GND_L01_P002" (solid, remove dead copper, pour order 2): 1860,2930 1860,3940 1200,3940 1200,3910 1200,1230 3300,1230 3300,2930
3V3 on Top Layer "3V3_L01_P001" (solid, pour order 1): 1804.73,1836.27 2021.26,1836.27 2021.26,1619.73 1804.73,1619.73 1804.73,1836.27
GND on Bottom Layer "tga" (solid, remove dead copper, pour order 0): 1860,2900 1860,3930 1200,3930 1200,1230 3300,1230 3300,2900

## Keep-outs
Keep-Out Layer:
  lines w5: 1200,1289.84 1200,3875.35 1259.84,3935.2 3235.43,3935.2 3300,3870.63 3300,1301.65 3228.35,1230 2700,1230 1350,1230 1259.84,1230 1200,1289.84
  lines w39.37: 1929.83,3409.33 cw(c2005,3409.33) 2005,3484.5 ; 1930,3409.33 1930,3330.67 ccw(c2005.18,3330.67) 2005.18,3255.5 ; 2005,3484.33 2230.16,3484.33 ; 2005.18,3255.67 2230.34,3255.67 ; 2449.83,3015 ccw(c2525,3015) 2525,2939.83 ; 2450,3015 2450,3210 ; 2525,2940 3080,2940

## Silkscreen, mask and mechanical layers (free items; w line width, h text height)
Top Overlay:
  rectangle: 3228.98,3110 3300,3230
  rectangle: 3228.98,3310 3300,3430
  lines w15: 1916.5,3746.5 2100,3930 ; 1919.84,2947.72 2027,3054.88 ; 1922.21,3352.21 1992.99,3422.99 ; 1923.14,3853.14 2000,3930 ; 1925.21,3059.22 1995.98,3130 ; 1925.21,3149.22 1995.98,3220 ; 1925.21,3259.22 1995.98,3330 ; 1925.21,3459.22 1995.98,3530 ; 1932.56,3662.56 2200,3930 ; 2015.37,2947.72 2122.54,3054.88 ; 2048.5,3678.5 2206.57,3836.57 2300,3930 ; 2118.84,2945.84 2226,3053 ; 2144.5,3674.5 2400,3930 ; 2219.84,2947.72 2327,3054.88 ; 2246.5,3676.5 2502,3932 ; 2312.84,2947.72 2420,3054.88 ; 2349.5,3676.5 2605,3932 ; 2417.76,2947.72 2524.92,3054.88 ; 2448.5,3676.5 2704,3932 ; 2516.05,2947.72 2623.21,3054.88 ; 2547.5,3676.5 2803,3932 ; 2617.71,2947.71 2850,3180 ; 2648.5,3676.5 2904,3932 ; 2661.89,3691.34 2769.06,3798.5 ; 2717.01,2947.01 2850,3080 ; 2741.89,3571.34 2835.26,3664.7 ; 2743.86,3172.84 2851.02,3280 ; 2743.86,3272.84 2851.02,3380 ; 2743.86,3372.84 2851.02,3480 ; 2743.86,3472.84 2851.02,3580 ; 2744.5,3676.5 3000,3932 ; 2820,2950 2941.46,3071.46 ; 2917.25,3749.25 3100,3932 ; 2940,3670 3200,3930 ; 3041.99,3671.99 3270,3900 ; 3109.12,2939.12 3290,3120 ; 3140,3670 3290,3820 ; 3161.3,3791.3 3220,3850 ; 3171.3,3701.3 3220,3750 ; 3218.25,2948.25 3295,3025 ; 3241.3,3271.3 3290,3320 ; 3241.3,3471.3 3290,3520 ; 3241.3,3571.3 3290,3620 ; 3241.3,3671.3 3292.5,3722.5
  lines w62.99: 1900,3900 1900,2920 3260,2920
  text "CT" at 1440,3836.57 h60
  text "FAN" at 2953.87,2985 h60
  text "POWER" at 1340,2680 h60
  text "ON" at 2926.13,2550 h60
  text "Gnd" at 1742.34,2500.28 h60
  text "5V" at 2103.07,2480 h40
  text "+5V" at 1742.34,2302.8 h60
  text "DETECT" at 2990,2160 h40
  text "DELAY" at 2990,1750 h40
  text "HOLD" at 3000,1380 h40
Bottom Overlay:
  lines w15: 1916.5,3746.5 2100,3930 ; 1918.25,3548.25 2206.57,3836.57 2300,3930 ; 1922.21,3352.21 1976.5,3406.5 ; 1923.14,3853.14 2000,3930 ; 1925.21,3149.22 2067.99,3292.01 ; 1925.21,3259.22 1972.99,3307.01 ; 1925.21,3459.22 2037.99,3572.01 ; 1927.94,3056.94 2803,3932 ; 1929.84,2957.72 2037,3064.88 ; 1932.56,3662.56 2200,3930 ; 2025.37,2957.72 2120.55,3052.89 ; 2033.11,3463.11 2080,3510 ; 2080,2947.71 2115.71,2947.71 3100,3932 ; 2116.5,3443.5 2605,3932 ; 2137.27,3365.27 2704,3932 ; 2160,3690 2400,3930 ; 2190,3210 2530.83,3563.94 ; 2219.92,3149.22 2580,3520 ; 2219.92,3649.92 2502,3932 ; 2229.84,2957.72 3207.06,3934.94 ; 2322.84,2957.72 2508.17,3143.05 ; 2427.76,2957.72 2534.92,3064.88 ; 2526.05,2957.72 2613.02,3044.69 ; 2605,3230 2960,3590 ; 2617.71,2947.71 2960,3290 ; 2661,3689 2904,3932 ; 2701,3633 3000,3932 ; 2704,3130 2960,3390 ; 2704,3230 2960,3490 ; 2727.01,2957.01 2960,3190 ; 2817.5,2947.5 2960,3090 ; 2915,2945 3300,3330 ; 3021.62,2951.62 3300,3230 ; 3025,3655 3270,3900 ; 3109.12,2939.12 3300,3130 ; 3120,3250 3300,3430 ; 3120,3350 3300,3530 ; 3120,3450 3300,3630 ; 3120,3550 3300,3730 ; 3120,3650 3300,3830 ; 3218.25,2948.25 3300,3030
  lines w62.99: 1920,3900 1920,2940 3260,2940
  text "Ver = '.Version'" at 3120,1250 h78.74